# Allegro board 1103400-C000PC024-HI3521DV200-CORE-A01-pcb166.brd (continued)
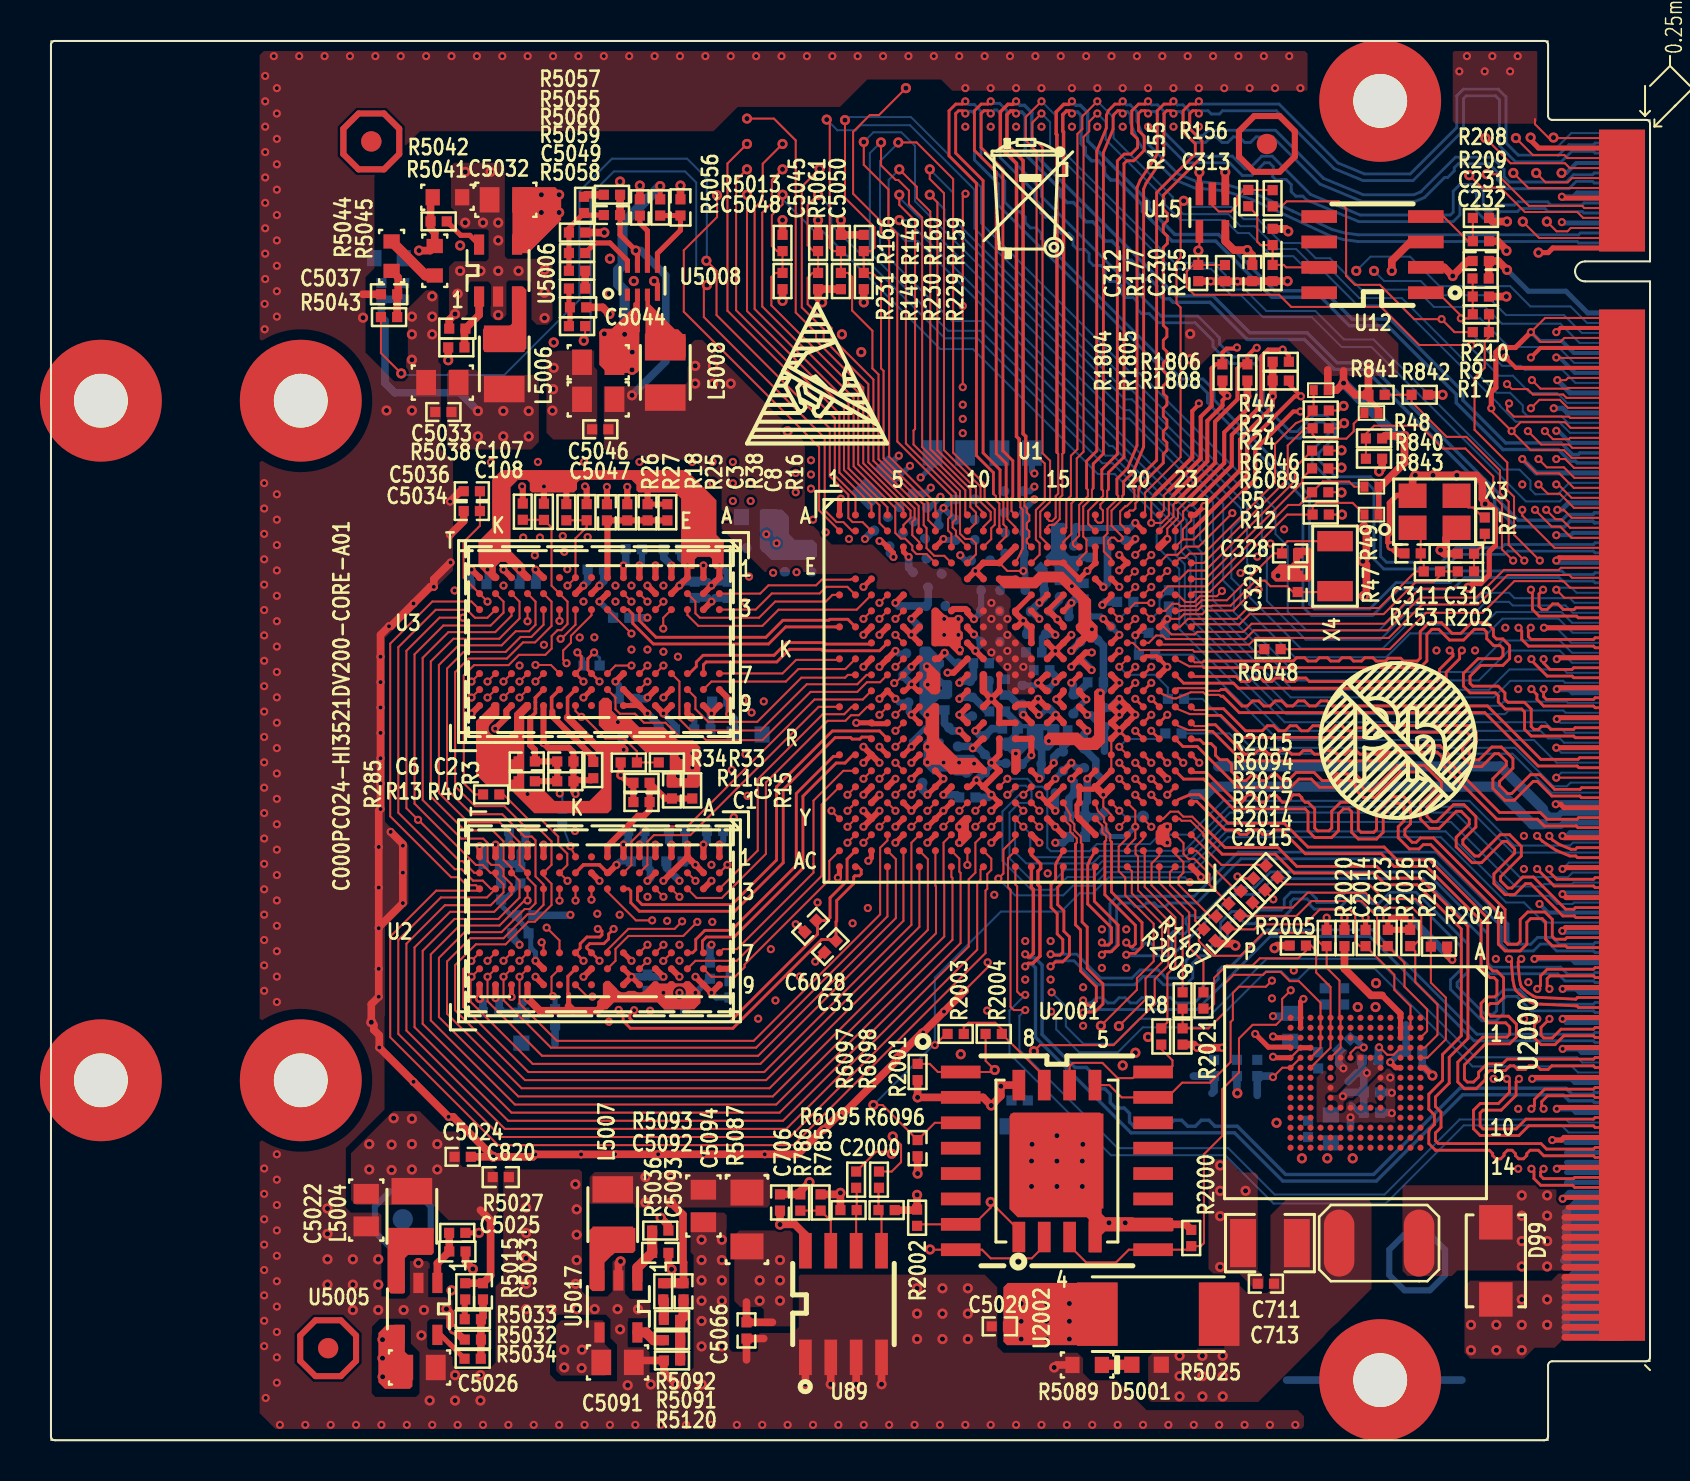
[diagram p0: board, top side]
## Footprints (pads in the part's own frame, mm; a bottom-side part is the same pattern mirrored in y, then rotated) (continued)
BGA424-32-2323
  round 0.356 smd: A1(-8.8,-8.8) A2(-8.8,-8) A3(-8.8,-7.2) A4(-8.8,-6.4) A5(-8.8,-5.6) A7(-8.8,-4) A9(-8.8,-2.4) A10(-8.8,-1.6) A12(-8.8,0) A14(-8.8,1.6) A17(-8.8,4) A19(-8.8,5.6) A20(-8.8,6.4) A21(-8.8,7.2) A23(-8.8,8.8) AA2(7.2,-8) AA3(7.2,-7.2) AA4(7.2,-6.4) AA5(7.2,-5.6) AA6(7.2,-4.8) AA7(7.2,-4) AA8(7.2,-3.2) AA9(7.2,-2.4) AA10(7.2,-1.6) AA11(7.2,-0.8) AA12(7.2,0) AA13(7.2,0.8) AA15(7.2,2.4) AA17(7.2,4) AA19(7.2,5.6) AA20(7.2,6.4) AA21(7.2,7.2) AA22(7.2,8) AA23(7.2,8.8) AB1(8,-8.8) AB2(8,-8) AB3(8,-7.2) AB4(8,-6.4) AB5(8,-5.6) AB6(8,-4.8) AB7(8,-4) AB8(8,-3.2) AB9(8,-2.4) AB10(8,-1.6) AB12(8,0) AB13(8,0.8) AB15(8,2.4) AB17(8,4) AB19(8,5.6) AB20(8,6.4) AB21(8,7.2) AB22(8,8) AB23(8,8.8) AC1(8.8,-8.8) AC2(8.8,-8) AC4(8.8,-6.4) AC6(8.8,-4.8) AC8(8.8,-3.2) AC10(8.8,-1.6) AC12(8.8,0) AC13(8.8,0.8) AC15(8.8,2.4) AC17(8.8,4) AC19(8.8,5.6) AC21(8.8,7.2) AC22(8.8,8) AC23(8.8,8.8) B1(-8,-8.8) B2(-8,-8) B3(-8,-7.2) B4(-8,-6.4) B5(-8,-5.6) B6(-8,-4.8) B7(-8,-4) B9(-8,-2.4) B10(-8,-1.6) B11(-8,-0.8) B12(-8,0) B14(-8,1.6) B15(-8,2.4) B17(-8,4) B19(-8,5.6) B20(-8,6.4) B21(-8,7.2) B22(-8,8) B23(-8,8.8) C4(-7.2,-6.4) C5(-7.2,-5.6) C6(-7.2,-4.8) C7(-7.2,-4) C8(-7.2,-3.2) C9(-7.2,-2.4) C10(-7.2,-1.6) C11(-7.2,-0.8) C12(-7.2,0) C13(-7.2,0.8) C14(-7.2,1.6) C15(-7.2,2.4) C16(-7.2,3.2) C17(-7.2,4) C18(-7.2,4.8) C19(-7.2,5.6) C20(-7.2,6.4) C21(-7.2,7.2) C22(-7.2,8) D7(-6.4,-4) D8(-6.4,-3.2) D9(-6.4,-2.4) D10(-6.4,-1.6) D11(-6.4,-0.8) D12(-6.4,0) D13(-6.4,0.8) D14(-6.4,1.6) D15(-6.4,2.4) D16(-6.4,3.2) D17(-6.4,4) D18(-6.4,4.8) D19(-6.4,5.6) D20(-6.4,6.4) D21(-6.4,7.2) D22(-6.4,8) D23(-6.4,8.8) E2(-5.6,-8) E3(-5.6,-7.2) E9(-5.6,-2.4) E10(-5.6,-1.6) E11(-5.6,-0.8) E12(-5.6,0) E16(-5.6,3.2) E17(-5.6,4) E18(-5.6,4.8) E19(-5.6,5.6) E20(-5.6,6.4) E21(-5.6,7.2) E22(-5.6,8) E23(-5.6,8.8) F1(-4.8,-8.8) F2(-4.8,-8) F3(-4.8,-7.2) F4(-4.8,-6.4) F5(-4.8,-5.6) F13(-4.8,0.8) F14(-4.8,1.6) F15(-4.8,2.4) F18(-4.8,4.8) F19(-4.8,5.6) F20(-4.8,6.4) F21(-4.8,7.2) F22(-4.8,8) F23(-4.8,8.8) G3(-4,-7.2) G4(-4,-6.4) G5(-4,-5.6) G6(-4,-4.8) G7(-4,-4) G8(-4,-3.2) G9(-4,-2.4) G10(-4,-1.6) G11(-4,-0.8) G12(-4,0) G13(-4,0.8) G14(-4,1.6) G15(-4,2.4) G18(-4,4.8) G19(-4,5.6) G20(-4,6.4) G21(-4,7.2) G22(-4,8) H1(-3.2,-8.8) H2(-3.2,-8) H3(-3.2,-7.2) H4(-3.2,-6.4) H5(-3.2,-5.6) H6(-3.2,-4.8) H7(-3.2,-4) H8(-3.2,-3.2) H9(-3.2,-2.4) H10(-3.2,-1.6) H11(-3.2,-0.8) H12(-3.2,0) H13(-3.2,0.8) H14(-3.2,1.6) H15(-3.2,2.4) H16(-3.2,3.2) H18(-3.2,4.8) H19(-3.2,5.6) H20(-3.2,6.4) H21(-3.2,7.2) H22(-3.2,8) H23(-3.2,8.8) J3(-2.4,-7.2) J4(-2.4,-6.4) J5(-2.4,-5.6) J6(-2.4,-4.8) J7(-2.4,-4) J8(-2.4,-3.2) J9(-2.4,-2.4) J10(-2.4,-1.6) J11(-2.4,-0.8) J12(-2.4,0) J13(-2.4,0.8) J14(-2.4,1.6) J15(-2.4,2.4) J16(-2.4,3.2) J18(-2.4,4.8) J19(-2.4,5.6) J20(-2.4,6.4) J21(-2.4,7.2) K1(-1.6,-8.8) K2(-1.6,-8) K3(-1.6,-7.2) K4(-1.6,-6.4) K5(-1.6,-5.6) K6(-1.6,-4.8) K7(-1.6,-4) K9(-1.6,-2.4) K10(-1.6,-1.6) K11(-1.6,-0.8) K12(-1.6,0) K13(-1.6,0.8) K14(-1.6,1.6) K15(-1.6,2.4) K16(-1.6,3.2) K18(-1.6,4.8) K19(-1.6,5.6) K20(-1.6,6.4) K21(-1.6,7.2) K22(-1.6,8) K23(-1.6,8.8) L2(-0.8,-8) L3(-0.8,-7.2) L4(-0.8,-6.4) L5(-0.8,-5.6) L6(-0.8,-4.8) L7(-0.8,-4) L9(-0.8,-2.4) L10(-0.8,-1.6) L11(-0.8,-0.8) L12(-0.8,0) L13(-0.8,0.8) L14(-0.8,1.6) L15(-0.8,2.4) L16(-0.8,3.2) L18(-0.8,4.8) L19(-0.8,5.6) L20(-0.8,6.4) L21(-0.8,7.2) L22(-0.8,8) L23(-0.8,8.8) M3(0,-7.2) M4(0,-6.4) M5(0,-5.6) M6(0,-4.8) M7(0,-4) M9(0,-2.4) M10(0,-1.6) M11(0,-0.8) M12(0,0) M13(0,0.8) M14(0,1.6) M15(0,2.4) M16(0,3.2) M18(0,4.8) M19(0,5.6) M20(0,6.4) M21(0,7.2) M22(0,8) N1(0.8,-8.8) N2(0.8,-8) N3(0.8,-7.2) N4(0.8,-6.4) N5(0.8,-5.6) N6(0.8,-4.8) N7(0.8,-4) N9(0.8,-2.4) N10(0.8,-1.6) N11(0.8,-0.8) N12(0.8,0) N13(0.8,0.8) N14(0.8,1.6) N15(0.8,2.4) N16(0.8,3.2) N18(0.8,4.8) N19(0.8,5.6) N20(0.8,6.4) N21(0.8,7.2) N22(0.8,8) N23(0.8,8.8) P3(1.6,-7.2) P4(1.6,-6.4) P5(1.6,-5.6) P6(1.6,-4.8) P7(1.6,-4) P9(1.6,-2.4) P10(1.6,-1.6) P11(1.6,-0.8) P12(1.6,0) P13(1.6,0.8) P14(1.6,1.6) P15(1.6,2.4) P16(1.6,3.2) P18(1.6,4.8) P19(1.6,5.6) P20(1.6,6.4) P21(1.6,7.2) P22(1.6,8) P23(1.6,8.8) R3(2.4,-7.2) R4(2.4,-6.4) R5(2.4,-5.6) R6(2.4,-4.8) R7(2.4,-4) R9(2.4,-2.4) R10(2.4,-1.6) R11(2.4,-0.8) R12(2.4,0) R13(2.4,0.8) R18(2.4,4.8) R19(2.4,5.6) R20(2.4,6.4) R21(2.4,7.2) R22(2.4,8) R23(2.4,8.8) T1(3.2,-8.8) T2(3.2,-8) T3(3.2,-7.2) T4(3.2,-6.4) T5(3.2,-5.6) T6(3.2,-4.8) T7(3.2,-4) T18(3.2,4.8) T19(3.2,5.6) T20(3.2,6.4) T21(3.2,7.2) T22(3.2,8) T23(3.2,8.8) U2(4,-8) U3(4,-7.2) U4(4,-6.4) U5(4,-5.6) U6(4,-4.8) U7(4,-4) U8(4,-3.2) U9(4,-2.4) U10(4,-1.6) U11(4,-0.8) U12(4,0) U13(4,0.8) U14(4,1.6) U15(4,2.4) U16(4,3.2) U17(4,4) U18(4,4.8) U19(4,5.6) U20(4,6.4) U21(4,7.2) U22(4,8) U23(4,8.8) V1(4.8,-8.8) V2(4.8,-8) V3(4.8,-7.2) V4(4.8,-6.4) V5(4.8,-5.6) V6(4.8,-4.8) V7(4.8,-4) V8(4.8,-3.2) V9(4.8,-2.4) V10(4.8,-1.6) V11(4.8,-0.8) V12(4.8,0) V13(4.8,0.8) V14(4.8,1.6) V15(4.8,2.4) V16(4.8,3.2) V17(4.8,4) V18(4.8,4.8) V19(4.8,5.6) V20(4.8,6.4) V21(4.8,7.2) V22(4.8,8) W2(5.6,-8) W3(5.6,-7.2) W4(5.6,-6.4) W5(5.6,-5.6) W6(5.6,-4.8) W7(5.6,-4) W8(5.6,-3.2) W9(5.6,-2.4) W10(5.6,-1.6) W11(5.6,-0.8) W12(5.6,0) W13(5.6,0.8) W14(5.6,1.6) W15(5.6,2.4) W16(5.6,3.2) W17(5.6,4) W18(5.6,4.8) W19(5.6,5.6) W20(5.6,6.4) W21(5.6,7.2) W22(5.6,8) W23(5.6,8.8) Y1(6.4,-8.8) Y2(6.4,-8) Y3(6.4,-7.2) Y4(6.4,-6.4) Y5(6.4,-5.6) Y6(6.4,-4.8) Y7(6.4,-4) Y8(6.4,-3.2) Y9(6.4,-2.4) Y10(6.4,-1.6) Y11(6.4,-0.8) Y12(6.4,0) Y13(6.4,0.8) Y14(6.4,1.6) Y15(6.4,2.4) Y16(6.4,3.2) Y17(6.4,4) Y18(6.4,4.8) Y19(6.4,5.6) Y20(6.4,6.4) Y21(6.4,7.2) Y22(6.4,8)
GF_MXM2
  rect 0.35x2.3 smd: 1(30.39,-24.6) 2(30.14,-24.6) 3(29.89,-24.6) 4(29.64,-24.6) 5(29.39,-24.6) 6(29.14,-24.6) 7(28.89,-24.6) 8(28.64,-24.6) 9(28.39,-24.6) 10(28.14,-24.6) 11(27.89,-24.6) 12(27.64,-24.6) 13(27.39,-24.6) 14(27.14,-24.6) 15(26.89,-24.6) 16(26.64,-24.6) 17(26.39,-24.6) 18(26.14,-24.6) 19(25.89,-24.6) 20(25.64,-24.6) 21(25.39,-24.6) 22(25.14,-24.6) 23(24.89,-24.6) 24(24.64,-24.6) 25(21.39,-24.6) 26(21.14,-24.6) 27(20.89,-24.6) 28(20.64,-24.6) 29(20.39,-24.6) 30(20.14,-24.6) 31(19.89,-24.6) 32(19.64,-24.6) 33(19.39,-24.6) 34(19.14,-24.6) 35(18.89,-24.6) 36(18.64,-24.6) 37(18.39,-24.6) 38(18.14,-24.6) 39(17.89,-24.6) 40(17.64,-24.6) 41(17.39,-24.6) 42(17.14,-24.6) 43(16.89,-24.6) 44(16.64,-24.6) 45(16.39,-24.6) 46(16.14,-24.6) 47(15.89,-24.6) 48(15.64,-24.6) 49(15.39,-24.6) 50(15.14,-24.6) 51(14.89,-24.6) 52(14.64,-24.6) 53(14.39,-24.6) 54(14.14,-24.6) 55(13.89,-24.6) 56(13.64,-24.6) 57(13.39,-24.6) 58(13.14,-24.6) 59(12.89,-24.6) 60(12.64,-24.6) 61(12.39,-24.6) 62(12.14,-24.6) 63(11.89,-24.6) 64(11.64,-24.6) 65(11.39,-24.6) 66(11.14,-24.6) 67(10.89,-24.6) 68(10.64,-24.6) 69(10.39,-24.6) 70(10.14,-24.6) 71(9.89,-24.6) 72(9.64,-24.6) 73(9.39,-24.6) 74(9.14,-24.6) 75(8.89,-24.6) 76(8.64,-24.6) 77(8.39,-24.6) 78(8.14,-24.6) 79(7.89,-24.6) 80(7.64,-24.6) 81(7.39,-24.6) 82(7.14,-24.6) 83(6.89,-24.6) 84(6.64,-24.6) 85(6.39,-24.6) 86(6.14,-24.6) 87(5.89,-24.6) 88(5.64,-24.6) 89(5.39,-24.6) 90(5.14,-24.6) 91(4.89,-24.6) 92(4.64,-24.6) 93(4.39,-24.6) 94(4.14,-24.6) 95(3.89,-24.6) 96(3.64,-24.6) 97(3.39,-24.6) 98(3.14,-24.6) 99(2.89,-24.6) 100(2.64,-24.6) 101(2.39,-24.6) 102(2.14,-24.6) 103(1.89,-24.6) 104(1.64,-24.6) 105(1.39,-24.6) 106(1.14,-24.6) 107(0.89,-24.6) 108(0.64,-24.6) 109(0.39,-24.6) 110(0.14,-24.6) 111(-0.11,-24.6) 112(-0.36,-24.6) 113(-0.61,-24.6) 114(-0.86,-24.6) 115(-1.11,-24.6) 116(-1.36,-24.6) 117(-1.61,-24.6) 118(-1.86,-24.6) 119(-2.11,-24.6) 120(-2.36,-24.6) 121(-2.61,-24.6) 122(-2.86,-24.6) 123(-3.11,-24.6) 124(-3.36,-24.6) 125(-3.61,-24.6) 126(-3.86,-24.6) 127(-4.11,-24.6) 128(-4.36,-24.6) 129(-4.61,-24.6) 130(-4.86,-24.6) 131(-5.11,-24.6) 132(-5.36,-24.6) 133(-5.61,-24.6) 134(-5.86,-24.6) 135(-6.11,-24.6) 136(-6.36,-24.6) 137(-6.61,-24.6) 138(-6.86,-24.6) 139(-7.11,-24.6) 140(-7.36,-24.6) 141(-7.61,-24.6) 142(-7.86,-24.6) 143(-8.11,-24.6) 144(-8.36,-24.6) 145(-8.61,-24.6) 146(-8.86,-24.6) 147(-9.11,-24.6) 148(-9.36,-24.6) 149(-9.61,-24.6) 150(-9.86,-24.6) 151(-10.11,-24.6) 152(-10.36,-24.6) 153(-10.61,-24.6) 154(-10.86,-24.6) 155(-11.11,-24.6) 156(-11.36,-24.6) 157(-11.61,-24.6) 158(-11.86,-24.6) 159(-12.11,-24.6) 160(-12.36,-24.6) 161(-12.61,-24.6) 162(-12.86,-24.6) 163(-13.11,-24.6) 164(-13.36,-24.6) 165(-13.61,-24.6) 166(-13.86,-24.6) 167(-14.11,-24.6) 168(-14.36,-24.6) 169(-14.61,-24.6) 170(-14.86,-24.6) 171(-15.11,-24.6) 172(-15.36,-24.6) 173(-15.61,-24.6) 174(-15.86,-24.6) 175(-16.11,-24.6) 176(-16.36,-24.6) 177(-16.61,-24.6) 178(-16.86,-24.6) 179(-17.11,-24.6) 180(-17.36,-24.6) 181(-17.61,-24.6) 182(-17.86,-24.6) 183(-18.11,-24.6) 184(-18.36,-24.6) 185(-18.61,-24.6) 186(-18.86,-24.6) 187(-19.11,-24.6) 188(-19.36,-24.6) 189(-19.61,-24.6) 190(-19.86,-24.6) 191(-20.11,-24.6) 192(-20.36,-24.6) 193(-20.61,-24.6) 194(-20.86,-24.6) 195(-21.11,-24.6) 196(-21.36,-24.6) 197(-21.61,-24.6) 198(-21.86,-24.6) 199(-22.11,-24.6) 200(-22.36,-24.6) 201(-22.61,-24.6) 202(-22.86,-24.6) 203(-23.11,-24.6) 204(-23.36,-24.6) 205(-23.61,-24.6) 206(-23.86,-24.6) 207(-24.11,-24.6) 208(-24.36,-24.6) 209(-24.61,-24.6) 210(-24.86,-24.6) 211(-25.11,-24.6) 212(-25.36,-24.6) 213(-25.61,-24.6) 214(-25.86,-24.6) 215(-26.11,-24.6) 216(-26.36,-24.6) 217(-26.61,-24.6) 218(-26.86,-24.6) 219(-27.11,-24.6) 220(-27.36,-24.6) 221(-27.61,-24.6) 222(-27.86,-24.6) 223(-28.11,-24.6) 224(-28.36,-24.6) 225(-28.61,-24.6) 226(-28.86,-24.6) 227(-29.11,-24.6) 228(-29.36,-24.6) 229(-29.61,-24.6) 230(-29.86,-24.6)
  round 6.096 hole 2.692: G1(-17,41.5) G2(17,41.5) G3(-32,-12.5) G4(32,-12.5) G5(-17,51.5) G6(17,51.5)
HSC0402-HDTA
  rect 0.406x0.508 smd: 1(-0.356,0) 2(0.356,0)
HSD0603-LED
  rect 0.762x0.813 smd: 1(-0.737,0) 2(0.737,0)
HSOT583-8
  rect 0.254x0.61 smd: 1(-0.75,-0.7) 2(-0.25,-0.7) 3(0.25,-0.7) 4(0.75,-0.7) 5(0.75,0.7) 6(0.25,0.7) 7(-0.25,0.7) 8(-0.75,0.7)
HSOT-SC70-DCK
  rect 0.381x1.143 smd: 1(-0.65,-0.94) 2(0,-0.94) 3(0.65,-0.94) 4(0.65,0.94) 5(-0.65,0.94)
HSX2-0302
  rect 1.016x1.778 smd: 1(-1.25,0) 2(1.25,0)
HSX4-0302
  rect 1.397x1.219 smd: 1(-1.1,-0.8) 2(1.1,-0.8) 3(1.1,0.8) 4(-1.1,0.8)
SC0402
  rect 0.508x0.508 smd: 1(-0.406,0) 2(0.406,0)
SC0402-BGA
  custom 0.475x0.51 smd: 1(-0.47,0) 2(0.47,0)
SC0402-PD
  rect 0.508x0.508 smd: 1(-0.406,0) 2(0.406,0)
SC0603
  rect 0.762x0.813 smd: 1(-0.699,0) 2(0.699,0)
SC0805
  rect 0.991x1.27 smd: 1(-0.813,0) 2(0.813,0)
SC0805B
  rect 0.991x1.27 smd: 1(-0.813,0) 2(0.813,0)
SC1210B
  rect 1.295x2.413 smd: 1(-1.346,0) 2(1.346,0)
SD1710A
  rect 1.727x1.676 smd: 1(-1.93,0) 2(1.93,0)
SF1812
  oval 1.524x3.353 smd: 1(-2,0) 2(2,0)
SL0402
  rect 0.483x0.508 smd: 1(-0.394,0) 2(0.394,0)
SL1008H
  rect 1.321x2.032 smd: 1(-1.26,0) 2(1.26,0)
SOP8-50-150
  rect 0.635x1.778 smd: 1(-1.905,-2.667) 2(-0.635,-2.667) 3(0.635,-2.667) 4(1.905,-2.667) 5(1.905,2.667) 6(0.635,2.667) 7(-0.635,2.667) 8(-1.905,2.667)
SOP16-50-300A
  rect 0.635x1.981 smd: 1(-4.445,-4.813) 2(-3.175,-4.813) 3(-1.905,-4.813) 4(-0.635,-4.813) 5(0.635,-4.813) 6(1.905,-4.813) 7(3.175,-4.813) 8(4.445,-4.813) 9(4.445,4.813) 10(3.175,4.813) 11(1.905,4.813) 12(0.635,4.813) 13(-0.635,4.813) 14(-1.905,4.813) 15(-3.175,4.813) 16(-4.445,4.813)
SOT23-5
  rect 0.508x1.016 smd: 1(-0.95,-1.3) 2(0,-1.3) 3(0.95,-1.3) 4(0.95,1.3) 5(-0.95,1.3)
SR0402
  rect 0.508x0.508 smd: 1(-0.406,0) 2(0.406,0)
SR0603
  rect 0.711x0.813 smd: 1(-0.737,0) 2(0.737,0)
SR1206
  rect 1.295x1.651 smd: 1(-1.346,0) 2(1.346,0)
SR2512C
  rect 2.032x3.175 smd: 1(-3.048,0) 2(3.048,0)
TP24-SMD
  round 0.61 smd: 1(0,0)
unnamed#2
  round 1.016 smd: 1(0,0)
WSON8-MX25L12835ZN
  rect 0.635x1.524 smd: 1(-1.905,-3.8) 2(-0.635,-3.8) 3(0.635,-3.8) 4(1.905,-3.8) 5(1.905,3.8) 6(0.635,3.8) 7(-0.635,3.8) 8(-1.905,3.8)
  rect 4.648x4.75 smd: 9(0,0)

## Nets
1V8: C5093.1(A) C5094.1(A) L5007.2(B) R5036.1(A) R5087.1(A) R6093.1(A)
1V8_SOC: C5066.1(A) R5087.2(B) R6091.1(A)
3V3: C230.1(A) C231.1(A) C706.2 C711.1(A) C713.1(A) C2001.1(A) C2002.1(A) C2003.1(A) C2004.1(A) C2005.1(A) C2006.1(A) C2007.1(A) C5026.1(A) C5032.1(A) C5044.1(A) C5091.1(A) D5001.1(A) F3.2(P2) R209.1(A) R210.1(A) R785.1 R2001.1(A) R2002.1(A) R2006.1(A) R5025.1(A) R5027.1(A) R5038.1(A) R5061.1(A) R5093.1(A) R6095.1 R6096.1 U12.2(VCC) U15.5(VCC) U89.8(VDD) U2000.E6(VCC/VDDF1) U2000.F5(VCC/VDDF2) U2000.J10(VCC/VDDF3) U2000.K9(VCC/VDDF4) U2001.2(VCC) U2002.8(VCC) U5005.4(VIN) U5006.4(VIN) U5008.2(VIN) U5017.4(VIN)
3V3_SOC: C801.1(A) C803.1(A) C807.1(A) C823.1(A) C824.1(A) C825.1(A) C826.1(A) C858.1(A) C5020.1(A) LB802.1 LB804.1 LB814.1 LB816.1 LB820.1 LB824.1 R44.1(A) R47.1(A) R48.1(A) R49.1(A) R148.1(A) R229.1(A) R230.1(A) R231.1(A) R802.2(B) R840.1(A) R841.1(A) R5025.2(B) R6090.1(A) U1.E11(DVDD33_3_1) U1.E12(DVDD33_3_2) U1.H16(DVDD33_2) U1.J16(DVDD33_OSC) U1.U12(DVDD33_1) U1.U13(AVDD33_USB2_1) U1.U16(DVDD3318_SFC)
AVDD09_HDMITX: C814.1(A) LB809.2 U1.H14(AVDD09_HDMITX)
AVDD09_PLL: C882.1(A) LB815.2 U1.L15(AVDD09_PLL)
AVDD09_PLL_EPHY: C800.1(A) LB807.2 U1.L9(AVDD09_PLL_EPHY)
AVDD09_SATA0: C808.1(A) LB823.2 U1.P13(AVDD09_SATA0)
AVDD33_DDRPLL: C881.1(A) LB814.2 U1.P10(AVDD33_DDRPLL)
AVDD33_HDMITX: C811.1(A) LB824.2 U1.G15(AVDD33_HDMITX)
AVDD33_MDI_USB2_2: C806.1(A) C6016.1(A) R802.1(A) U1.F14(AVDD33_USB2_2) U1.G13(AVDD33_MDI)
AVDD33_PLL: C883.1(A) LB816.2 U1.L16(AVDD33_PLL)
AVDD33_PLL_EPHY: C887.1(A) LB820.2 U1.M9(AVDD33_PLL_EPHY)
AVDD33_SATA0: C809.1(A) LB804.2 U1.U14(AVDD33_SATA0)
AVDD33_VDAC: C804.1(A) LB802.2 U1.E17(AVDD33_VDAC)
AVDD_BAT: C23.1(A) R2.1(A) U1.H20(AVDD_BAT)
AVDDIO3318_MIPIRX0: C884.1(A) U1.N16(AVDDIO_MIPIRX_0) U102.125
AVDDIO3318_MIPIRX1: C802.1(A) U1.P16(AVDDIO_MIPIRX_1) U102.127
DVDD_CORE: C810.1(A) C813.1(A) C828.1(A) C829.1(A) C830.1(A) C845.1(A) C846.1(A) C847.1(A) C868.1(A) C869.1(A) C870.1(A) C871.1(A) C875.1(A) C5046.1(A) C5047.1(A) C5048.1(A) L5008.2(B) LB807.1 LB809.1 LB815.1 LB823.1 R5013.1(A) U1.G10(DVDD_CORE1) U1.G11(DVDD_CORE2) U1.H10(DVDD_CORE3) U1.H11(DVDD_CORE4) U1.J10(DVDD_CORE5) U1.J11(DVDD_CORE6) U1.J12(DVDD_CORE7) U1.K11(DVDD_CORE8) U1.K12(DVDD_CORE9) U1.K13(DVDD_CORE10) U1.L12(DVDD_CORE11) U1.L13(DVDD_CORE12) U1.M12(DVDD_CORE13) U1.M13(DVDD_CORE14) U5008.7(OUT)
DVDD_CPU: C815.1(A) C816.1(A) C817.1(A) C818.1(A) C842.1(A) C843.1(A) C844.1(A) C848.1(A) C5034.1(A) C5035.1(A) C5036.1(A) C6029.1(A) C6030.1(A) L5006.2(B) R5014.1(A) U1.G7(DVDD_CPU1) U1.H7(DVDD_CPU2) U1.H8(DVDD_CPU3) U1.J7(DVDD_CPU4) U1.J8(DVDD_CPU5)
GND: C1.2(B) C2.2(B) C3.2(B) C4.2(B) C9.2(B) C10.2(B) C11.2(B) C12.2(B) C13.2(B) C14.2(B) C15.2(B) C16.2(B) C17.2(B) C18.2(B) C19.2(B) C20.2(B) C21.2(B) C22.2(B) C23.2(B) C28.2(B) C33.2(B) C96.2(B) C97.2(B) C98.2(B) C99.2(B) C100.2(B) C101.2(B) C107.2(B) C108.2(B) C109.2(B) C112.2(B) C113.2(B) C114.2(B) C115.2(B) C116.2(B) C230.2(B) C231.2(B) C232.2(B) C310.2(B) C311.2(B) C312.2(B) C313.2(B) C328.2(B) C329.2(B) C706.1 C711.2(B) C713.2(B) C800.2(B) C801.2(B) C802.2(B) C803.2(B) C804.2(B) C806.2(B) C807.2(B) C808.2(B) C809.2(B) C810.2(B) C811.2(B) C813.2(B) C814.2(B) C815.2(B) C816.2(B) C817.2(B) C818.2(B) C819.2(B) C820.2(B) C823.2(B) C824.2(B) C825.2(B) C826.2(B) C828.2(B) C829.2(B) C830.2(B) C834.2(B) C835.2(B) C836.2(B) C837.2(B) C842.2(B) C843.2(B) C844.2(B) C845.2(B) C846.2(B) C847.2(B) C848.2(B) C849.2(B) C851.2(B) C858.2(B) C862.2(B) C863.2(B) C868.2(B) C869.2(B) C870.2(B) C871.2(B) C874.2(B) C875.2(B) C876.2(B) C879.2(B) C881.2(B) C882.2(B) C883.2(B) C884.2(B) C885.2(B) C887.2(B) C2000.2(B) C2001.2(B) C2002.2(B) C2003.2(B) C2004.2(B) C2005.2(B) C2006.2(B) C2007.2(B) C2008.2(B) C2009.2(B) C2010.2(B) C2011.2(B) C2012.2(B) C2013.2(B) C2014.2(B) C2015.2(B) C5020.2(B) C5022.2(B) C5024.2(B) C5025.2(B) C5026.2(B) C5032.2(B) C5033.2(B) C5034.2(B) C5036.2(B) C5037.2(B) C5044.2(B) C5045.2(B) C5046.2(B) C5047.2(B) C5049.2(B) C5050.2(B) C5066.2(B) C5091.2(B) C5092.2(B) C5094.2(B) C6008.2(B) C6016.2(B) C6028.2(B) C6029.2(B) C6030.2(B) D99.1(A) R3.1(A) R4.1(A) R6.1(A) R11.2(B) R25.2(B) R26.2(B) R34.2(B) R38.2(B) R39.2(B) R40.2(B) R146.2(B) R159.2(B) R160.2(B) R166.2(B) R177.2(B) R208.2(B) R255.2(B) R786.2 R834.2(B) R842.2(B) R843.2(B) R1804.2(B) R1805.2(B) R1806.2(B) R1808.2(B) R2000.2(B) R2005.2(B) R2019.2(B) R5032.2(B) R5042.2(B) R5057.2(B) R5089.2(B) R5120.2(B) U1.A1(VSS1) U1.A23(AVSS_VDAC1) U1.AA5(VSS95) U1.AA7(VSS96) U1.AA9(VSS97) U1.AA11(VSS98) U1.AA13(VSS99) U1.AA15(AVSS_SATA0_9) U1.AA17(AVSS_SATA0_10) U1.AA21(VSS100) U1.AB3(VSS101) U1.AB19(VSS102) U1.AC1(VSS103) U1.AC23(VSS104) U1.B20(AVSS_VDAC2) U1.C4(VSS2) U1.C5(VSS3) U1.C7(VSS4) U1.C12(AVSS_MDI_1) U1.C17(AVSS_HDMITX1) U1.C19(AVSS_HDMITX2) U1.C21(AVSS_VDAC3) U1.C22(AVSS_VDAC4) U1.D10(VSS5) U1.D11(AVSS_MDI_2) U1.D14(VSS6) U1.D15(AVSS_HDMITX3) U1.D17(AVSS_HDMITX4) U1.D19(AVSS_HDMITX5) U1.E3(VSS7) U1.E9(VSS8) U1.E10(VSS9) U1.E16(AVSS_HDMITX6) U1.E18(AVSS_VDAC5) U1.F5(VSS10) U1.F13(AVSS_MDI_3) U1.F15(VSS11) U1.F18(AVSS_VDAC6) U1.F22(VSS12) U1.G6(VSS13) U1.G8(VSS14) U1.G9(VSS15) U1.G12(VSS16) U1.G14(AVSS_HDMITX7) U1.H3(VSS17) U1.H4(VSS18) U1.H5(VSS19) U1.H6(VSS20) U1.H9(VSS21) U1.H12(VSS22) U1.H13(VSS23) U1.H15(VSS24) U1.H18(VSS25) U1.H21(VSS26) U1.J6(VSS27) U1.J9(VSS28) U1.J13(VSS29) U1.J14(VSS30) U1.J15(VSS31) U1.J18(VSS32) U1.K3(VSS33) U1.K4(VSS34) U1.K6(VSS35) U1.K7(VSS36) U1.K9(VSS37) U1.K10(VSS38) U1.K14(VSS39) U1.K15(VSS40) U1.K16(VSS41) U1.K18(VSS42) U1.K20(VSS43) U1.K21(AVSS_MIPIRX_0_1) U1.L6(VSS44) U1.L10(VSS45) U1.L11(VSS46) U1.L14(VSS47) U1.L18(AVSS_MIPIRX_0_2) U1.L21(AVSS_MIPIRX_0_3) U1.M4(VSS48) U1.M5(VSS49) U1.M6(VSS50) U1.M10(AVSS_PLL_EPHY) U1.M11(VSS51) U1.M14(VSS52) U1.M15(AVSS_PLL) U1.M16(AVSS_MIPIRX_0_4) U1.M18(AVSS_MIPIRX_0_5) U1.N6(VSS53) U1.N9(VSS54) U1.N10(VSS55) U1.N11(VSS56) U1.N12(VSS57) U1.N13(VSS58) U1.N14(VSS59) U1.N15(VSS60) U1.N18(AVSS_MIPIRX_0_6) U1.N19(AVSS_MIPIRX_0_7) U1.P3(VSS61) U1.P4(VSS62) U1.P6(VSS63) U1.P9(VSS64) U1.P11(VSS65) U1.P12(VSS66) U1.P14(AVSS_SATA0_1) U1.P15(AVSS_MIPIRX_1_1) U1.P18(AVSS_MIPIRX_0_8) U1.P19(AVSS_MIPIRX_0_9) U1.R6(VSS67) U1.R10(AVSS_DDRPLL) U1.R11(VSS68) U1.R12(VSS69) U1.R13(VSS70) U1.R18(AVSS_MIPIRX_1_2) U1.R19(AVSS_MIPIRX_1_3) U1.T3(VSS71) U1.T4(VSS72) U1.T5(VSS73) U1.T6(VSS74) U1.T18(AVSS_MIPIRX_1_4) U1.U6(VSS75) U1.U7(VSS76) U1.U11(VSS77) U1.U15(VSS78) U1.U18(AVSS_MIPIRX_1_5) U1.U21(AVSS_MIPIRX_1_6) U1.V3(VSS79) U1.V4(VSS80) U1.V7(VSS81) U1.V9(VSS82) U1.V10(VSS83) U1.V14(AVSS_SATA0_2) U1.V15(AVSS_SATA0_3) U1.V16(AVSS_SATA0_4) U1.V17(VSS84) U1.V18(AVSS_MIPIRX_1_7) U1.W3(VSS85) U1.W5(VSS86) U1.W6(VSS87) U1.W8(VSS88) U1.W11(VSS89) U1.W14(AVSS_SATA0_5) U1.W16(AVSS_SATA0_6) U1.W19(AVSS_MIPIRX_1_8) U1.Y3(VSS90) U1.Y5(VSS91) U1.Y7(VSS92) U1.Y9(VSS93) U1.Y14(AVSS_SATA0_7) U1.Y16(AVSS_SATA0_8) U1.Y18(VSS94) U2.A9(VSS1) U2.B1(VSSQ1) U2.B3(VSS2) U2.B9(VSSQ2) U2.D1(VSSQ3) U2.D8(VSSQ4) U2.E1(VSS3) U2.E2(VSSQ5) U2.E8(VSSQ6) U2.F9(VSSQ7) U2.G1(VSSQ8) U2.G8(VSS4) U2.G9(VSSQ9) U2.J2(VSS5) U2.J8(VSS6) U2.M1(VSS7) U2.M9(VSS8) U2.P1(VSS9) U2.P9(VSS10) U2.T1(VSS11) U2.T9(VSS12) U3.A9(VSS1) U3.B1(VSSQ1) U3.B3(VSS2) U3.B9(VSSQ2) U3.D1(VSSQ3) U3.D8(VSSQ4) U3.E1(VSS3) U3.E2(VSSQ5) U3.E8(VSSQ6) U3.F9(VSSQ7) U3.G1(VSSQ8) U3.G8(VSS4) U3.G9(VSSQ9) U3.J2(VSS5) U3.J8(VSS6) U3.M1(VSS7) U3.M9(VSS8) U3.P1(VSS9) U3.P9(VSS10) U3.T1(VSS11) U3.T9(VSS12) U12.3(GND) U15.1(O\E\) U15.3(GND) U89.1(A0) U89.2(A1) U89.3(A2) U89.4(VSS) U102.1 U102.4 U102.7 U102.13 U102.14 U102.19 U102.24 U102.25 U102.26 U102.30 U102.33 U102.34 U102.37 U102.38 U102.41 U102.44 U102.45 U102.48 U102.51 U102.54 U102.57 U102.60 U102.63 U102.66 U102.69 U102.74 U102.75 U102.81 U102.82 U102.88 U102.91 U102.94 U102.100 U102.101 U102.106 U102.107 U102.112 U102.113 U102.117 U102.118 U102.123 U102.124 U102.129 U102.130 U102.135 U102.136 U102.141 U102.142 U102.145 U102.148 U102.149 U102.154 U102.155 U102.160 U102.161 U102.166 U102.167 U102.172 U102.173 U102.178 U102.179 U102.184 U102.185 U102.190 U102.191 U102.193 U102.195 U102.196 U102.197 U102.199 U102.201 U102.202 U102.217 U102.218 U102.219 U102.220 U102.221 U102.222 U102.223 U102.224 U102.225 U102.226 U102.227 U102.228 U102.229 U102.230 U102.G1 U102.G2 U102.G3 U102.G4 U102.G5 U102.G6 U2000.A6(VSS1) U2000.C4(VSSQ/VSS1) U2000.E7(VSS2) U2000.G5(VSS3) U2000.H10(VSS4) U2000.J5(VSS5) U2000.K8(VSS6) U2000.N1(NC89) U2000.N2(VSSQ/VSS2) U2000.N5(VSSQ/VSS3) U2000.P4(VSSQ/VSS4) U2000.P6(VSSQ/VSS5) U2001.10(VSS) U2002.4(VSS) U2002.9(VSS_EPAD) U5005.2(GND) U5006.2(GND) U5008.4(GND) U5017.2(GND) X3.2(GND1) X3.4(GND2)
VBAT: R2.2(B) U102.115
VCCQ_EMMC: C2008.1(A) C2009.1(A) C2010.1(A) C2011.1(A) C2012.1(A) C2013.1(A) R2006.2(B) R2020.1(A) R2021.1(A) R2023.1(A) R2024.1(A) R2025.1(A) R2026.1(A) R6093.2(B) U2000.C6(VCCQ/VDD1) U2000.M4(VCCQ/VDD2) U2000.N4(VCCQ/VDD3) U2000.P3(VCCQ/VDD4) U2000.P5(VCCQ/VDD5)
VDDI: C2014.1(A) U2000.C1(NC19) U2000.C2(VDDI) U2000.C3(NC20)
VDDIO_CK_DDR: C879.1(A) LB812.2 U1.R9(VDDIO_CK_DDR)
VDDIO_DDR: C5.1(A) C6.1(A) C7.1(A) C8.1(A) C9.1(A) C10.1(A) C11.1(A) C12.1(A) C13.1(A) C14.1(A) C15.1(A) C16.1(A) C17.1(A) C18.1(A) C19.1(A) C20.1(A) C21.1(A) C22.1(A) C28.1(A) C96.1(A) C97.1(A) C98.1(A) C99.1(A) C100.1(A) C101.1(A) C109.1(A) C112.1(A) C113.1(A) C114.1(A) C115.1(A) C116.1(A) C819.1(A) C820.1(A) C834.1(A) C835.1(A) C836.1(A) C837.1(A) C849.1(A) C851.1(A) C862.1(A) C863.1(A) C874.1(A) C876.1(A) C5022.1(A) C5023.1(A) C5024.1(A) L5004.2(B) LB812.1 R13.1(A) R14.1(A) R15.1(A) R16.1(A) R18.1(A) R27.1(A) R33.1(A) R5015.1(A) U1.L7(VDDIO_DDR1) U1.M7(VDDIO_DDR2) U1.N7(VDDIO_DDR3) U1.P7(VDDIO_DDR4) U1.R7(VDDIO_DDR5) U1.T7(VDDIO_DDR6) U1.U8(VDDIO_DDR7) U1.U9(VDDIO_DDR8) U1.U10(VDDIO_DDR9) U2.A1(VDDQ1) U2.A8(VDDQ2) U2.B2(VDD1) U2.C1(VDDQ3) U2.C9(VDDQ4) U2.D2(VDDQ5) U2.D9(VDD2) U2.E9(VDDQ6) U2.F1(VDDQ7) U2.G7(VDD3) U2.H2(VDDQ8) U2.H9(VDDQ9) U2.K2(VDD4) U2.K8(VDD5) U2.N1(VDD6) U2.N9(VDD7) U2.R1(VDD8) U2.R9(VDD9) U3.A1(VDDQ1) U3.A8(VDDQ2) U3.B2(VDD1) U3.C1(VDDQ3) U3.C9(VDDQ4) U3.D2(VDDQ5) U3.D9(VDD2) U3.E9(VDDQ6) U3.F1(VDDQ7) U3.G7(VDD3) U3.H2(VDDQ8) U3.H9(VDDQ9) U3.K2(VDD4) U3.K8(VDD5) U3.N1(VDD6) U3.N9(VDD7) U3.R1(VDD8) U3.R9(VDD9)
VIN_3.3V: D99.2(B) F3.1(P1) U102.203 U102.204 U102.205 U102.206 U102.207 U102.208 U102.209 U102.210 U102.211 U102.212 U102.213 U102.214 U102.215 U102.216
CVBS: R1808.1(A) U1.B23(CVBS) U102.46
DDR_A0: U1.AA8(DDR_A5) U2.N3(A0) U3.N3(A0)
DDR_A1: U1.Y10(DDR_A6) U2.P7(A1) U3.P7(A1)
DDR_A2: U1.AB8(DDR_A4) U2.P3(A2) U3.P3(A2)
DDR_A3: U1.AB7(DDR_A12) U2.N2(A3) U3.N2(A3)
DDR_A4: U1.AC4(DDR_WE_N) U2.P8(A4) U3.P8(A4)
DDR_A5: U1.AC8(DDR_A9) U2.P2(A5) U3.P2(A5)
DDR_A6: U1.AB4(DDR_CS_N) U2.R8(A6) U3.R8(A6)
DDR_A7: U1.AA10(DDR_A11) U2.R2(A7) U3.R2(A7)
DDR_A8: U1.AB5(DDR_BA0) U2.T8(A8) U3.T8(A8)
DDR_A9: U1.AC10(DDR_A8) U2.R3(A9) U3.R3(A9)
DDR_A10: U1.Y8(DDR_A0) U2.L7(A10/AP) U3.L7(A10/AP)
DDR_A11: U1.Y11(DDR_A13) U2.R7(A11) U3.R7(A11)
DDR_A12: U1.W10(DDR_A2) U2.N7(A12/BC) U3.N7(A12/BC)
DDR_A13: U1.AB10(DDR_A7) U2.T3(A13) U3.T3(A13)
DDR_A14: U1.AA6(DDR_A15) U2.T7(A14) U3.T7(A14)
DDR_A15: U1.W9(DDR_A1) U2.M7(NC5) U3.M7(NC5)
DDR_BA0: U1.AC6(DDR_BA1) U2.M2(BA0) U3.M2(BA0)
DDR_BA1: U1.AA4(DDR_A14) U2.N8(BA1) U3.N8(BA1)
DDR_BA2: U1.AB6(DDR_A3) U2.M3(BA2) U3.M3(BA2)
DDR_CAS_N: U1.W4(DDR_RAS_N) U2.K3(C\A\S\) U3.K3(C\A\S\)
DDR_CKE: R33.2(B) R34.1(A) U1.Y4(DDR_CAS_N) U2.K9(CKE) U3.K9(CKE)
DDR_CLK_N: C33.1(A) R1.2(B) U1.AC2(DDR_CLK_N) U2.K7(C\K\) U3.K7(C\K\)
DDR_CLK_P: C6028.1(A) R1.1(A) U1.AB2(DDR_CLK_P) U2.J7(CK) U3.J7(CK)
DDR_CS_N: R285.1(A) U1.V6(DDR_CKE) U2.L2(C\S\)
DDR_CS_N_1: R26.1(A) R27.2(B) R285.2(B) U3.L2(C\S\)
DDR_DM0: U1.V5(DDR_DM0) U2.E7(LDM)
DDR_DM1: U1.U3(DDR_DM1) U2.D3(UDM)
DDR_DM2: U1.K5(DDR_DM2) U3.E7(LDM)
DDR_DM3: U1.J5(DDR_DM3) U3.D3(UDM)
DDR_DQ0: U1.U5(DDR_DQ4) U2.E3(DQ0)
DDR_DQ1: U1.W2(DDR_DQ6) U2.F7(DQ1)
DDR_DQ2: U1.N1(DDR_DQ14) U2.F2(DQ2)
DDR_DQ3: U1.Y2(DDR_DQ2) U2.F8(DQ3)
DDR_DQ4: U1.U4(DDR_DQ5) U2.H3(DQ4)
DDR_DQ5: U1.Y1(DDR_DQ3) U2.H8(DQ5)
DDR_DQ6: U1.M3(DDR_DQ15) U2.G2(DQ6)
DDR_DQ7: U1.V2(DDR_DQ7) U2.H7(DQ7)
DDR_DQ8: U1.AA2(DDR_DQ1) U2.D7(DQ8)
DDR_DQ9: U1.N3(DDR_DQ13) U2.C3(DQ9)
DDR_DQ10: U1.V1(DDR_DQ8) U2.C8(DQ10)
DDR_DQ11: U1.R5(DDR_DQ10) U2.C2(DQ11)
DDR_DQ12: U1.U2(DDR_DQ9) U2.A7(DQ12)
DDR_DQ13: U1.P5(DDR_DQ11) U2.A2(DQ13)
DDR_DQ14: U1.AB1(DDR_DQ0) U2.B8(DQ14)
DDR_DQ15: U1.N2(DDR_DQ12) U2.A3(DQ15)
DDR_DQ16: U1.G4(DDR_DQ29) U3.E3(DQ0)
DDR_DQ17: U1.L5(DDR_DQ26) U3.F7(DQ1)
DDR_DQ18: U1.F4(DDR_DQ20) U3.F2(DQ2)
DDR_DQ19: U1.N5(DDR_DQ28) U3.F8(DQ3)
DDR_DQ20: U1.G5(DDR_DQ31) U3.H3(DQ4)
DDR_DQ21: U1.L4(DDR_DQ24) U3.H8(DQ5)
DDR_DQ22: U1.G3(DDR_DQ16) U3.G2(DQ6)
DDR_DQ23: U1.N4(DDR_DQ30) U3.H7(DQ7)
DDR_DQ24: U1.L3(DDR_DQ21) U3.D7(DQ8)
DDR_DQ25: U1.F3(DDR_DQ25) U3.C3(DQ9)
DDR_DQ26: U1.L2(DDR_DQ23) U3.C8(DQ10)
DDR_DQ27: U1.F1(DDR_DQ27) U3.C2(DQ11)
DDR_DQ28: U1.K1(DDR_DQ17) U3.A7(DQ12)
DDR_DQ29: U1.E2(DDR_DQ22) U3.A2(DQ13)
DDR_DQ30: U1.K2(DDR_DQ19) U3.B8(DQ14)
DDR_DQ31: U1.F2(DDR_DQ18) U3.A3(DQ15)
DDR_DQS0_N: U1.R3(DDR_DQS1_N) U2.G3(L\D\Q\S\)
DDR_DQS0_P: U1.R4(DDR_DQS1_P) U2.F3(LDQS)
DDR_DQS1_N: U1.T2(DDR_DQS0_N) U2.B7(U\D\Q\S\)
DDR_DQS1_P: U1.T1(DDR_DQS0_P) U2.C7(UDQS)
DDR_DQS2_N: U1.H1(DDR_DQS2_N) U3.G3(L\D\Q\S\)
DDR_DQS2_P: U1.H2(DDR_DQS2_P) U3.F3(LDQS)
DDR_DQS3_N: U1.J4(DDR_DQS3_N) U3.B7(U\D\Q\S\)
DDR_DQS3_P: U1.J3(DDR_DQS3_P) U3.C7(UDQS)
DDR_ODT: R286.1(A) U1.W7(DDR_ODT) U2.K1(ODT)
DDR_ODT_1: R18.2(B) R25.1(A) R286.2(B) U3.K1(ODT)
DDR_RAS_N: U1.AA3(DDR_A10) U2.J3(R\A\S\) U3.J3(R\A\S\)
DDR_RESET_N: C107.1(A) C108.1(A) U1.AB9(DDR_RESET_N) U2.T2(R\E\S\E\T\) U3.T2(R\E\S\E\T\)
DDR_VREF_CA_0: C4.1(A) C7.2(B) R14.2(B) R39.1(A) U2.M8(VREFCA)
DDR_VREF_CA_1: C2.1(A) C6.2(B) R13.2(B) R40.1(A) U3.M8(VREFCA)
DDR_VREF_DQ_0: C1.1(A) C5.2(B) R11.1(A) R15.2(B) U2.H1(VREFDQ)
DDR_VREF_DQ_1: C3.1(A) C8.2(B) R16.2(B) R38.1(A) U3.H1(VREFDQ)
DDR_WE_N: U1.Y6(DDR_BA2) U2.L3(W\E\) U3.L3(W\E\)
DDR_ZQ: R6.2(B) U1.V8(DDR_ZQ)
EMMC_CLK_R: R1407.2(B) R2005.1(A) U2000.K1(NC66) U2000.K2(NC67) U2000.K3(NC68) U2000.M6(CLK)
EMMC_CMD: R2008.1(A) U1.AB21(EMMC_CMD/GPIO11_0)
EMMC_CMD_R: R2008.2(B) R2021.2(B) U2000.L1(NC72) U2000.L2(NC73) U2000.L3(NC74) U2000.M5(CMD)
EMMC_DATA0: R2017.1(A) U1.AA22(EMMC_DATA0/GPIO11_1)
EMMC_DATA0_R: R2017.2(B) R2026.2(B) U2000.A3(DAT0)
EMMC_DATA1: R2016.1(A) U1.AB23(EMMC_DATA1/GPIO11_2)
EMMC_DATA1_R: R2016.2(B) R2025.2(B) U2000.A4(DAT1)
EMMC_DATA2: R2015.1(A) U1.AA23(EMMC_DATA2/GPIO11_3)
EMMC_DATA2_R: R2015.2(B) R2024.2(B) U2000.A5(DAT2)
EMMC_DATA3: R2014.1(A) U1.AB22(EMMC_DATA3/GPIO11_4)
EMMC_DATA3_R: R2014.2(B) R2023.2(B) U2000.B1(NC10) U2000.B2(DAT3)
EMMC_RST_N: C2015.1(A) R2020.2(B) U1.AC22(EMMC_RST_N/GPIO10_6) U2000.J1(NC60) U2000.J2(NC61) U2000.J3(NC62) U2000.K5(RST_N)
GPIO0_0: U1.D7(GPIO0_0/VO_BT1120_DATA2) U102.16
GPIO0_1: U1.A4(GPIO0_1/VO_BT1120_DATA3) U102.18
GPIO0_2: U1.B1(GPIO0_2/VO_BT1120_DATA6) U102.22
GPIO0_3: U1.C6(GPIO0_3/VO_BT1120_DATA15) U102.20
GPIO0_4: U1.A3(GPIO0_4/VO_BT1120_DATA5) U102.10
GPIO0_5: U1.B4(GPIO0_5/VO_BT1120_DATA4) U102.12
GPIO0_6: U1.B5(GPIO0_6/VO_BT1120_DATA0) U102.8
GPIO0_7: U1.A2(GPIO0_7/VO_BT1120_DATA7) U102.6
GPIO1_0: U1.A7(GPIO1_0/VO_BT1120_CLK/SPI0_SCK) U102.2
GPIO1_1/BOOT_SEL1: R159.1(A) R229.2(B) U1.B7(GPIO1_1/BOOT_SEL1) U102.83
GPIO1_2/BOOT_SEL0: R160.1(A) R230.2(B) U1.D8(GPIO1_2/BOOT_SEL0) U102.85
GPIO1_3/FAST_BOOT_MODE: R146.1(A) R148.2(B) U1.B6(GPIO1_3/FAST_BOOT_MODE) U102.109
GPIO1_4/SFC_EMMC_BOOT_MODE: R166.1(A) R231.2(B) U1.A5(GPIO1_4/SFC_EMMC_BOOT_MODE) U102.111
GPIO10_4: U1.Y22(GPIO10_4) U102.194
GPIO11_7: R6095.2 R6097.1 U89.6(SCL)
GPIO12_0: R6096.2 R6098.1 U89.5(SDA)
HDMI_HOTPLUG: U1.A20(HDMI_HOTPLUG/GPIO3_3) U102.31
HDMI_SCL: U1.D20(HDMI_SCL/GPIO3_5/I2C0_SCL) U102.27
HDMI_SDA: U1.C20(HDMI_SDA/GPIO3_4/I2C0_SDA) U102.29
HDMI_TX0N: U1.C18(HDMI_TX0N) U102.11
HDMI_TX0P: U1.D18(HDMI_TX0P) U102.9
HDMI_TX1N: U1.A17(HDMI_TX1N) U102.17
HDMI_TX1P: U1.B17(HDMI_TX1P) U102.15
HDMI_TX2N: U1.D16(HDMI_TX2N) U102.23
HDMI_TX2P: U1.C16(HDMI_TX2P) U102.21
HDMI_TXCN: U1.A19(HDMI_TXCN) U102.5
HDMI_TXCP: U1.B19(HDMI_TXCP) U102.3
I2C0_SCL: R23.1(A) U102.50
I2C0_SDA: R24.1(A) U102.52
I2C1_SCL: R12.1(A) U102.56
I2C1_SDA: R5.1(A) U102.58
